# KiCad board CONTROLLER1.kicad_pcb
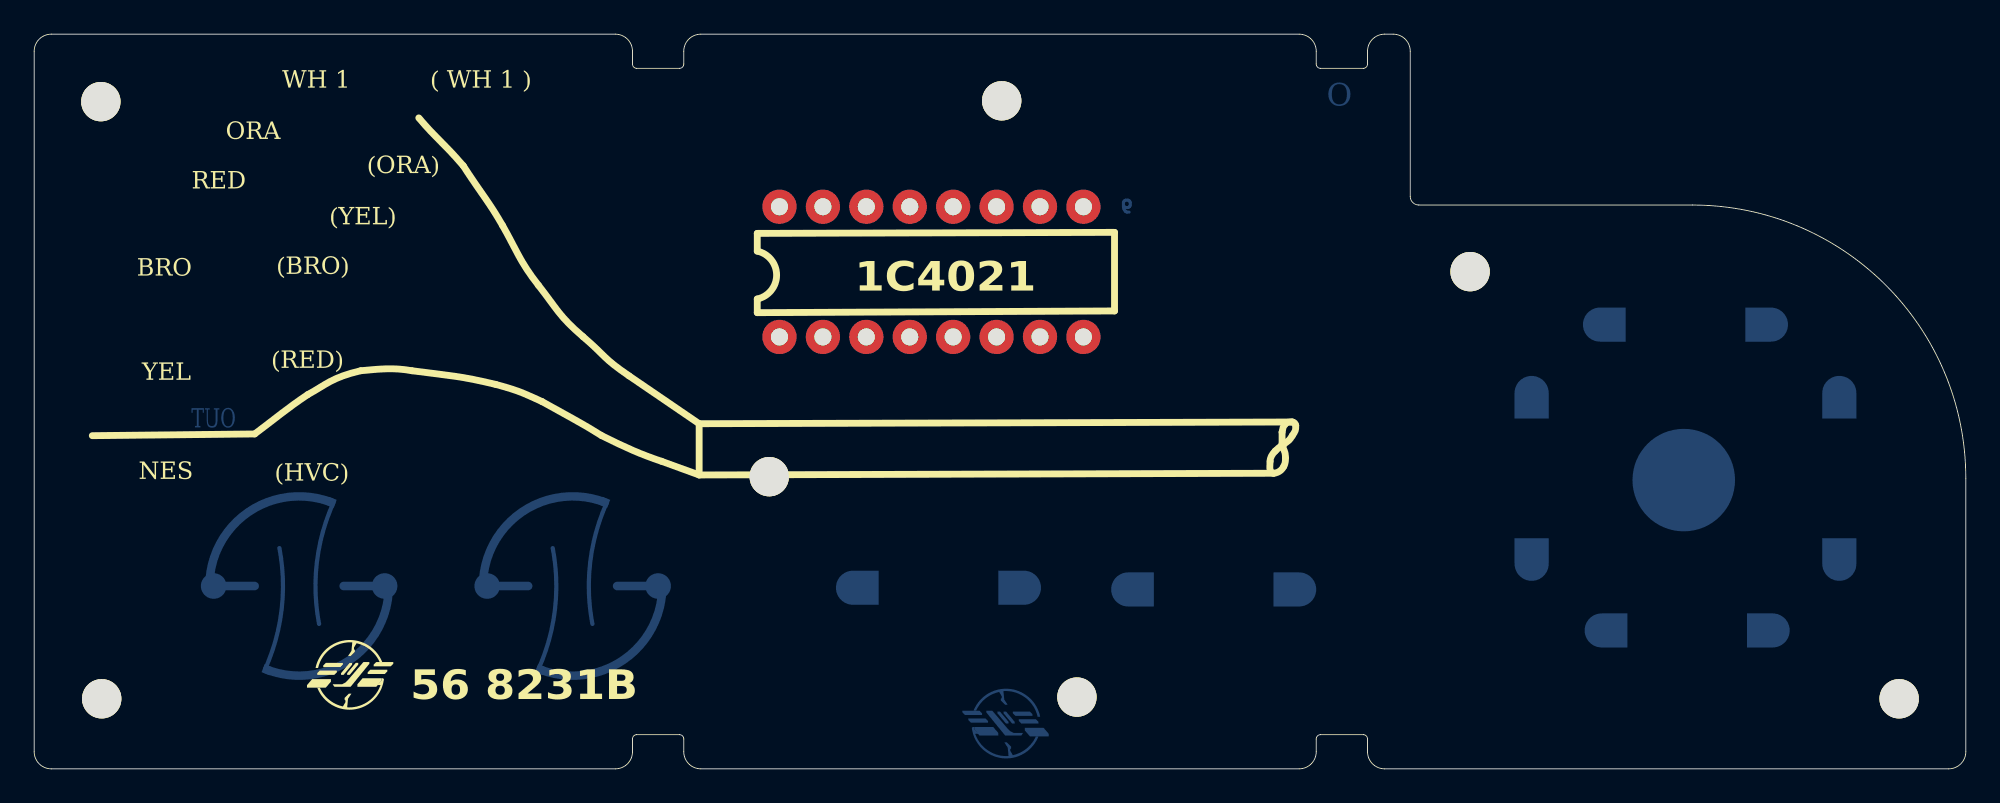
[diagram p0: board, top side]
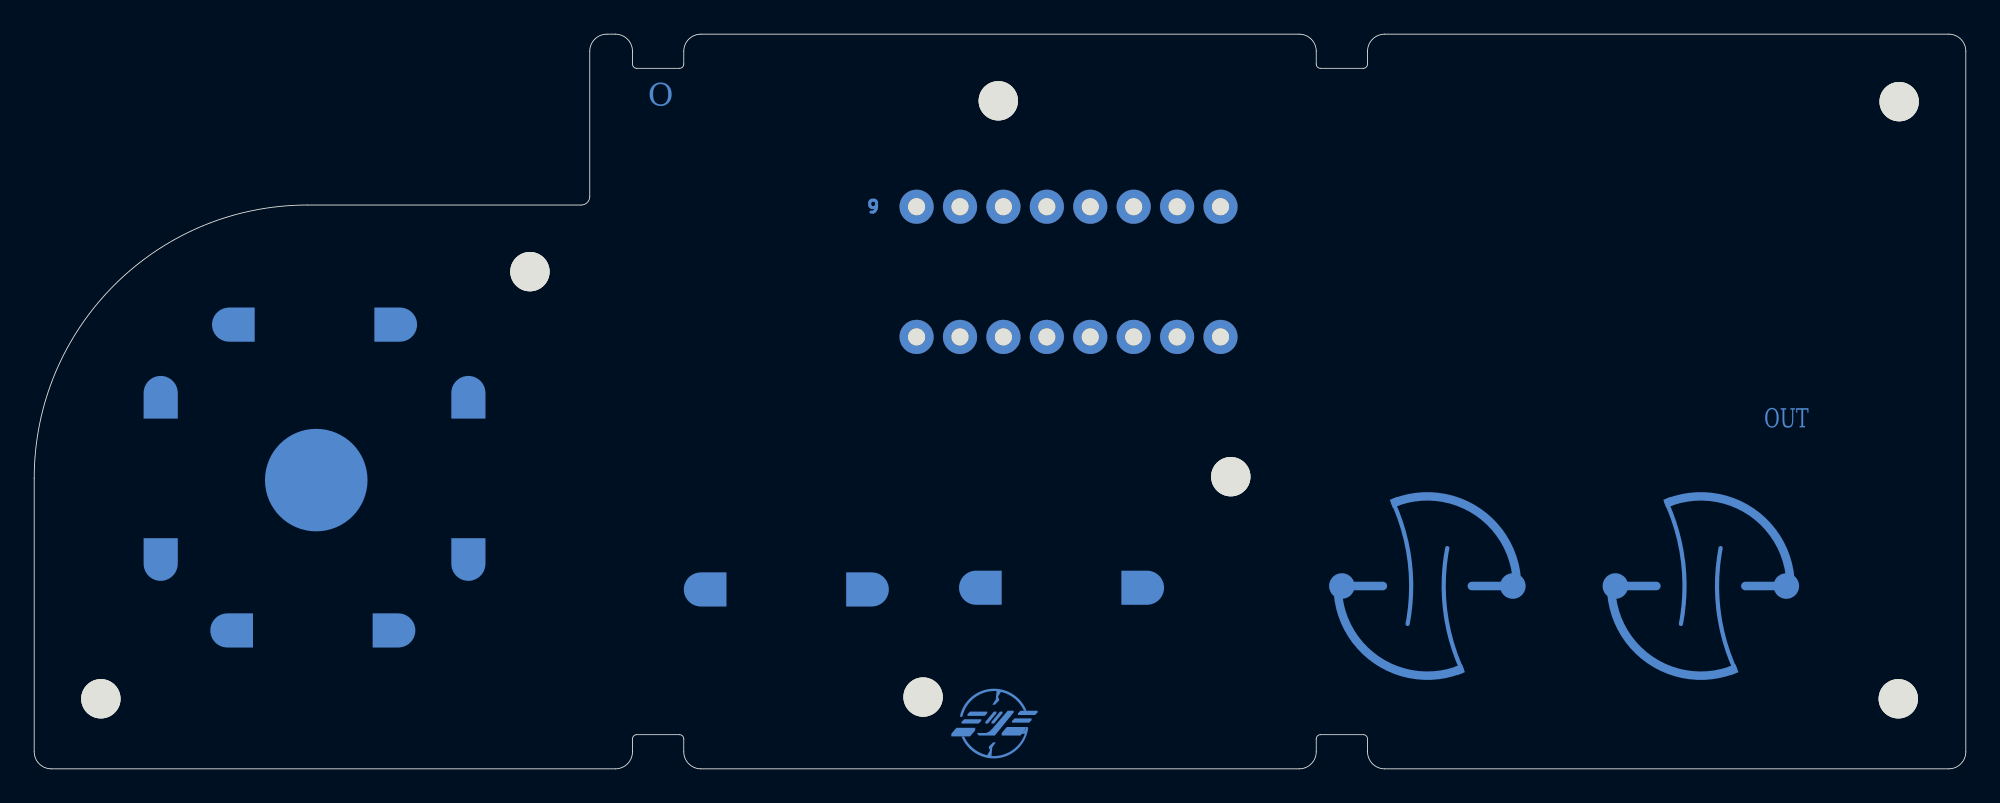
[diagram p1: board, bottom side, seen from below]

Outline 113 x 43 mm; copper layers: Top, Bottom. Coordinates in mm from the lower left corner of the outline.
Outline path: 0,42 0,1 arc(0.29,0.29) 1,0 34,0 arc(34.71,0.29) 35,1 35,1.75 arc(35.07,1.93) 35.25,2 37.75,2 arc(37.93,1.93) 38,1.75 38,1 arc(38.29,0.29) 39,0 74,0 arc(74.71,0.29) 75,1 75,1.75 arc(75.07,1.93) 75.25,2 77.75,2 arc(77.93,1.93) 78,1.75 78,1 arc(78.29,0.29) 79,0 112,0 arc(112.71,0.29) 113,1 113,17 arc(108.31,28.31) 97,33 81,33 arc(80.65,33.15) 80.5,33.5 80.5,42 arc(80.21,42.71) 79.5,43 79,43 arc(78.29,42.71) 78,42 78,41.25 arc(77.93,41.07) 77.75,41 75.25,41 arc(75.07,41.07) 75,41.25 75,42 arc(74.71,42.71) 74,43 39,43 arc(38.29,42.71) 38,42 38,41.25 arc(37.93,41.07) 37.75,41 35.25,41 arc(35.07,41.07) 35,41.25 35,42 arc(34.71,42.71) 34,43 1,43 arc(0.29,42.71) 0,42
Stack: Top 0.035mm / dielectric 1.51mm FR4 er 4.5 / Bottom 0.035mm

## Placement (name value [footprint] x y rotation side)
H1  MountingHole  [HOLE]  3.9 39.05 0 top
H2  MountingHole  [HOLE]  3.95 4.1 0 top
H3  MountingHole  [HOLE]  43 17.1 0 top
H4  MountingHole  [HOLE]  61 4.2 0 top
H5  MountingHole  [HOLE]  56.6 39.1 0 top
H6  MountingHole  [HOLE]  84 29.1 0 top
H7  MountingHole  [HOLE]  109.1 4.1 180 bottom
SW1  RIGHT  [BUTTON_DPAD]  87.6 17 270 bottom
SW2  LEFT  [BUTTON_DPAD]  105.6 17 270 bottom
SW3  UP  [BUTTON_DPAD]  96.7 8.1 180 bottom
SW4  DOWN  [BUTTON_DPAD]  96.6 26 0 bottom
SW5  START  [BUTTON_DPAD]  69 10.5 180 bottom
SW6  SELECT  [BUTTON_DPAD]  52.9 10.6 180 bottom
SW7  B  [BUTTON_AB]  31.5 10.7 0 bottom
SW8  A  [BUTTON_AB]  15.5 10.7 180 bottom
U1  4021  [DIP16]  43.6 32.9 270 bottom

## Library data of the parts
H1-H7 = -: Description: Mounting Hole without connection; ki_fp_filters: MountingHole*
SW1-SW8 = -: Description: Push button switch, generic, two pins
U1 = -: Datasheet: https://assets.nexperia.com/documents/data-sheet/HEF4021B.pdf; Description: 8-bit static shift register; ki_fp_filters: DIP*W7.62mm* SOIC*3.9x9.9mm*P1.27mm* TSSOP*4.4x5mm*P0.65mm* SOIC*5.3x10.2mm*P1.27mm*

## Footprints (pads in the part's own frame, mm; a bottom-side part is the same pattern mirrored in y, then rotated)
BUTTON_AB
  custom 7.875x7.84 smd: 1(-5,0) 2(5,0)
  rect 0.5x0.5 smd rot 69: 1(1.875,-4.9) 2(-1.875,4.9)
BUTTON_DPAD
  custom 2.5x2 smd: 1(-5,0) 2(5,0)
DIP16
  round 2 hole 1: 1(7.62,0) 2(7.62,-2.54) 3(7.62,-5.08) 4(7.62,-7.62) 5(7.62,-10.16) 6(7.62,-12.7) 7(7.62,-15.24) 8(7.62,-17.78) 9(0,-17.78) 10(0,-15.24) 11(0,-12.7) 12(0,-10.16) 13(0,-7.62) 14(0,-5.08) 15(0,-2.54) 16(0,0)
HOLE
  round 2.3 hole 2.3 unplated: (0,0)

## Nets
+5V: U1.16
GND: SW1.2 SW2.2 SW3.2 SW4.2 SW5.2 SW6.2 SW7.2 SW8.2 U1.8 U1.11
4016_CUP: U1.10
4016_D0: U1.3
A: SW8.1 U1.1
B: SW7.1 U1.15
DOWN: SW4.1 U1.4
LEFT: SW2.1 U1.6
OUT0: U1.9
RIGHT: SW1.1 U1.7
SELECT: SW6.1 U1.14
START: SW5.1 U1.13
UP: SW3.1 U1.5

Pads without a net: U1 2 12

Small or netless copper shapes (teardrops, artwork), in the pictures only: 11 on Bottom

## Text on the board
Bottom: OUT | O
F.Silkscreen: BRO | NES | YEL | RED | ORA | (RED) | (HVC) | (BRO) | WH 1 | (YEL) | (ORA) | ( WH 1 ) | 56 8231B | 1C4021
